# Altium PCB testboard_chip1.PcbDoc (part 2 of 3)
Units mm, origin at the board's own origin, x right, y up, seen from the top; angles counter-clockwise.
Board outline 111 x 126 mm, 2 copper layers (Top Layer, Bottom Layer); 162 components, 162 nets, 822 pads, 290 vias.
Unrouted connection lines stored in the file: 151.
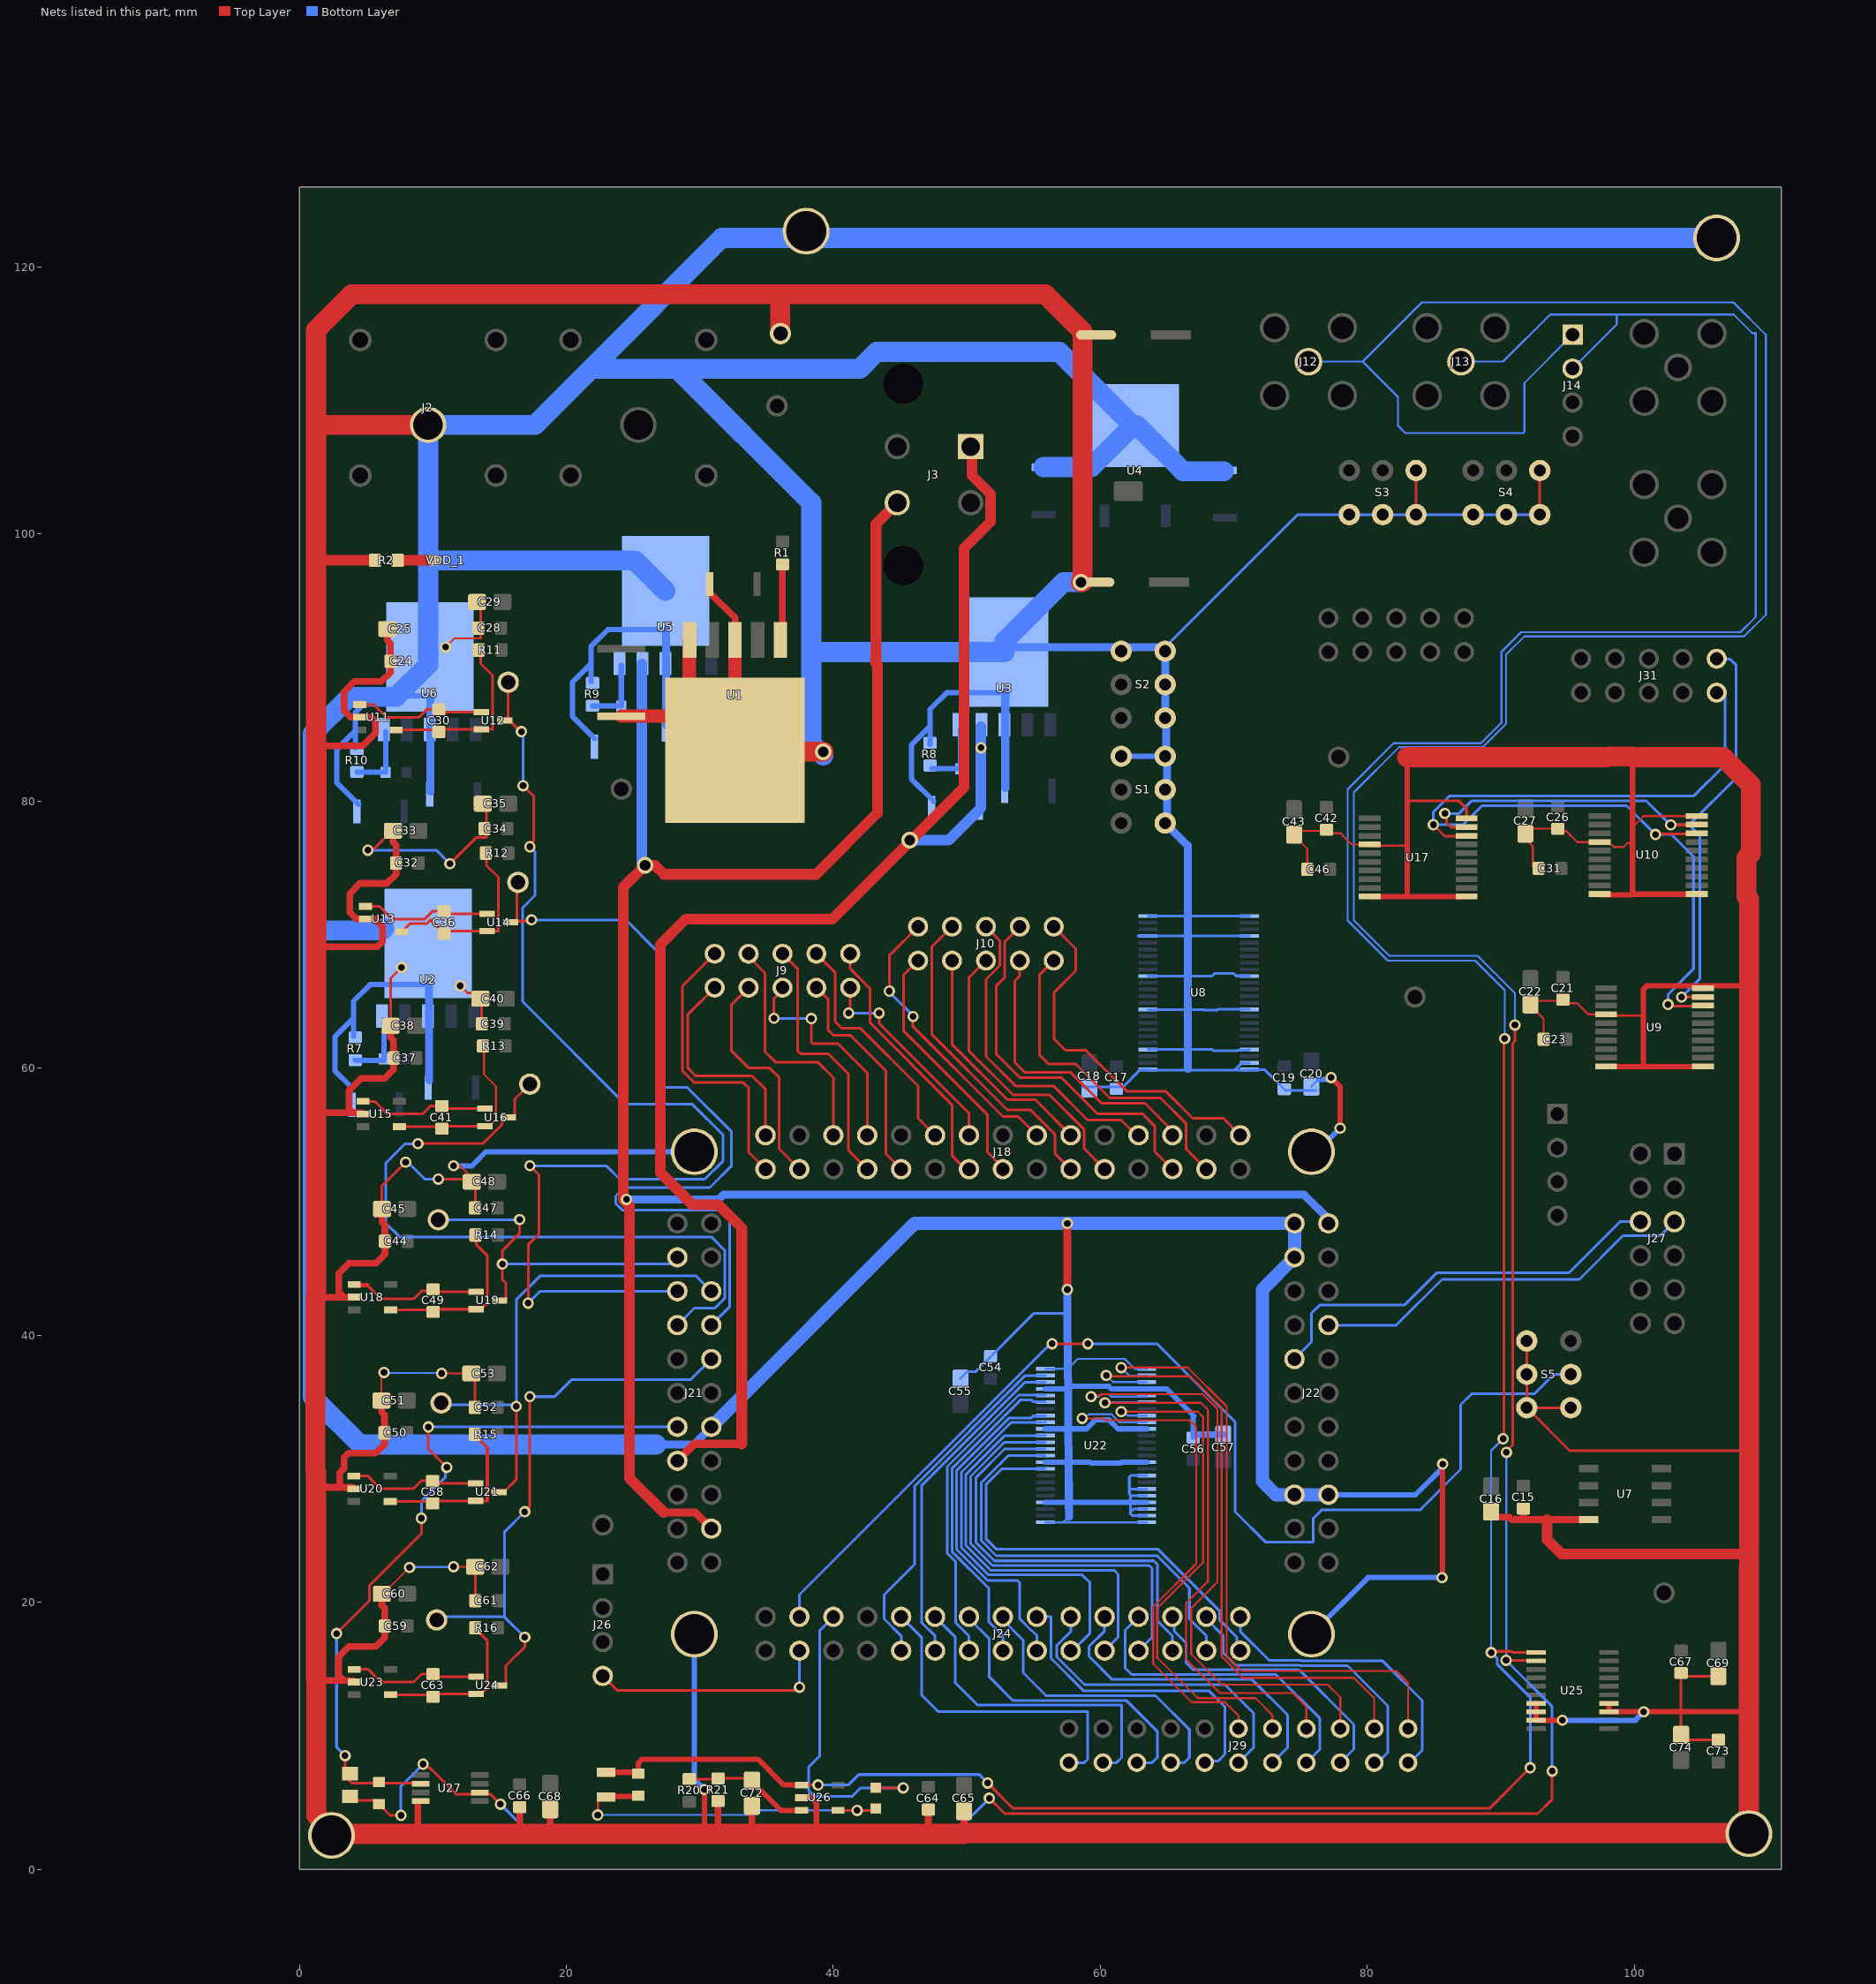
[diagram p2: the nets of this part, all layers, seen from the top]

## Via types
v1: diameter 0.85, hole 0.5, Top Layer to Bottom Layer, 274 vias
v2: diameter 1.25, hole 0.8, Top Layer to Bottom Layer, 16 vias

## Nets (pads, with @x,y where several pads share a name; then routed paths per layer and width w, separated by ;. In a path a pad name is that pad's centre, name@x,y a point inside that pad or via, vN(x,y) a via of type N, cw(c..) or ccw(c..) an arc to the next point about the centre after c; other vN are vias at no path point) (continued)
DVDD: C12.1 J3.4 J21.19 J22.1 R5.1 U5.4 | length 167
  Top Layer w0.6: 27.305,26.723 29.649,26.723 J21.19@30.861,25.511
  Top Layer w0.8: 27.305,26.723 24.724,29.304 24.724,49.698 24.257,50.165 24.257,73.533 v2(25.908,75.184) 26.654,75.184 27.327,74.511 38.713,74.511 43.307,79.105 43.307,90.237 43.202,90.342 43.202,100.756 J3.4@44.792,102.346
  Bottom Layer w0.2: J22.1@77.089,48.371 J22.1@77.089,48.706
  Bottom Layer w0.6: v1(24.511,50.165) 31.422,50.165 31.789,50.532 53.526,50.532 53.542,50.516 75.279,50.516 J22.1@77.089,48.706
  Bottom Layer w0.8: U5.4@25.664,90.258 R5.1@25.664,87.119 C12.1@25.664,84.071 25.664,75.428 v2(25.908,75.184)
GND: C1.- C2.- C3.2 C4.2 C5.2 C6.2 C7.2 C8.2 C9.2 C10.2 C11.2 C12.2 C13.2 C14.2 C15.2 C16.2 C17.2 C18.2 C19.2 C20.2 C21.2 C22.2 C23.2 C24.2 C25.2 C26.2 C27.2 C28.2 C29.2 C31.2 C32.2 C33.2 C34.2 C35.2 C37.2 C38.2 C39.2 C40.2 C42.2 C43.2 C44.2 C45.2 C46.2 C47.2 C48.2 C50.2 C51.2 C52.2 C53.2 C54.2 C55.2 C56.2 C57.2 C59.2 C60.2 C61.2 C62.2 C64.2 C65.2 C66.2 C67.2 C68.2 C69.2 C72.2 C73.2 C74.2 J2.1 J5.1 J21.13 J22.2 J22.4 J22.17 J22.18 pad.1 pad.2 pad.3 pad.4 R2.2 R7.2 R8.2 R9.2 R10.2 R21.2 S1.1 S1.2 S1.3 S1.4 S2.1 S2.2 S2.3 S2.4 S3.1 S3.2 S3.3 S3.4 S4.1 S4.2 S4.3 S4.4 S5.1 S5.2 S5.3 S5.4 U1.3 U1.5 U1.6 U2.3 U2.6 U3.3 U3.6 U4.2 U5.3 U5.6 U6.3 U6.6 U7.4 U8.1 U8.4 U8.10 U8.15 U8.21 U8.23 U8.24 U8.25 U8.28 U8.34 U8.39 U8.45 U8.48 U9.4 U9.10 U9.11 U9.20 U10.4 U10.10 U10.11 U10.20 U11.2 U13.2 U15.2 U17.4 U17.10 U17.11 U17.20 U18.2 U20.2 U22.1 U22.4 U22.10 U22.15 U22.17 U22.19 U22.20 U22.21 U22.22 U22.23 U22.24 U22.25 U22.28 U22.34 U22.39 U22.45 U22.48 U23.2 U25.7 U25.8 U25.9 U25.13 U25.14 U26.2 U27.4 | length 1662.4
  Top Layer w0.15: C51.2@6.156,35.102 6.156,37.017 v1(6.35,37.211) ; C60.2@6.183,20.624 6.273,20.624 v1(8.255,22.606) ; v1(10.668,37.134) C53.2@12.886,37.134 ; v1(10.968,91.536) 10.971,91.536 11.621,92.186 13.586,92.186 ; v1(11.557,22.656) 12.914,22.656 C62.2@13.168,22.656 ; v1(11.557,52.689) 12.038,52.689 13.081,51.646 C48.2@12.92,51.485 ; C46.2@75.503,74.889 75.503,76.434 74.517,77.42 C43.2@74.517,77.495 74.79,77.768 76.864,77.768 C42.2@76.949,77.853 77.211,77.591 78.007,77.591 78.845,76.753 U17.4@80.175,76.753 80.315,76.613 81.019,76.613 80.964,76.667 82.98,76.667 ; v1(85.598,21.844) v1@85.649,21.895 ; C31.2@92.394,75.062 92.394,76.607 ; C23.2@93.21,62.164 93.21,63.709 92.224,64.695 C22.2@92.224,64.77 92.497,65.043 94.571,65.043 C21.2@94.656,65.128 94.919,64.866 95.715,64.866 96.552,64.028 U9.4@97.882,64.028 98.023,63.888 98.726,63.888 98.672,63.942 100.687,63.942 ; 99.871,76.84 99.476,76.84 99.202,76.566 98.49,76.566 98.322,76.734 98.242,76.734 98.156,76.82 98.156,76.84 97.855,76.84 97.91,76.786 97.206,76.786 97.066,76.926 95.736,76.926 94.898,77.764 94.102,77.764 93.84,78.026 93.755,77.941 C27.2@91.681,77.941 ; 99.871,78.056 100.691,78.876 U10.20@104.33,78.876 ; C27.2@91.408,77.593 92.394,76.607 ; C27.2@91.408,77.593 91.639,77.362 92.394,76.607 ; C27.2@91.408,77.593 C27.2@91.408,77.668 ; C27.2@91.408,77.668 C27.2@91.681,77.941 ; C27.2@91.408,77.668 91.575,77.835 C27.2@91.681,77.941
  Top Layer w0.2: 1.254,107.477 1.955,108.178 ; v1(5.141,76.327) 5.496,76.327 6.943,77.774 C33.2@7.018,77.774 ; C51.2@5.682,34.629 C51.2@6.156,35.102 ; C60.2@5.709,20.151 C60.2@6.248,20.69 ; C45.2@5.715,48.853 C45.2@6.254,49.392 ; C25.2@6.116,92.414 C25.2@6.589,92.887 C25.2@6.655,92.953 ; C45.2@6.189,49.453 6.189,51.18 v1(7.968,52.959) ; C38.2@6.198,62.696 C38.2@6.737,63.235 ; C38.2@6.844,63.169 6.844,66.726 v1(7.666,67.548) ; U27.4@8.89,4.99 9.006,5.105 U27.4@9.09,5.105 ; v1(10.414,51.689) 12.716,51.689 C48.2@12.92,51.485 13.186,51.219 13.186,51.092 13.185,49.276 13.185,51.092 C48.2@12.919,51.358 ; v1(11.279,75.311) 11.291,75.311 13.246,77.266 14.015,77.266 14.015,79.54 C35.2@13.749,79.806 ; v1(12.065,66.167) 12.6,65.632 13.144,65.632 C40.2@13.575,65.201 C40.2@13.841,64.935 ; C53.2@12.886,37.134 13.152,36.868 C52.2@13.153,34.594 ; C53.2@12.887,37.134 13.153,36.868 C52.2@13.153,34.594 ; C62.2@12.914,22.656 13.18,22.39 C61.2@13.18,20.116 ; C29.2@13.32,94.919 13.586,94.653 13.586,92.186 ; C40.2@13.488,65.114 13.668,64.935 C39.2@13.668,62.992 ; U1.6@29.21,86.639 U1.6@29.804,86.639 ; 82.98,80.01 86.868,80.01 87.439,79.439 U17.20@87.439,78.703 ; S3.1@83.653,101.458 S3.4@83.653,104.758 ; S5.3@91.949,39.568 S5.2@91.949,37.068 S5.1@91.949,34.568 ; S4.1@92.924,101.458 S4.4@92.924,104.758 ; S5.4@95.249,34.568 S5.1@91.949,34.568 ; C73.2@106.204,9.793 C73.2@106.299,9.698 103.882,9.698 C74.2@103.505,10.076 103.505,11.795 C67.2@103.505,14.692 103.732,14.464 C69.2@106.299,14.464 ; 108.591,31.353 95.164,31.353 S5.1@91.949,34.568
  Top Layer w0.3: U20.2@3.988,28.602 U20.2@4.092,28.498 ; U23.2@4.015,14.124 U23.2@4.119,14.02 ; U15.2@4.677,56.669 U15.2@4.781,56.565
  Top Layer w0.4: 30.353,2.651 v1(30.353,5.969) ; U26.2@37.627,5.36 38.363,5.36 38.735,4.988 38.735,2.651 ; v1(77.289,59.293) 77.965,58.617 v1(77.965,55.499) ; U17.10@80.175,72.853 82.98,72.853 ; 82.98,83.296 82.98,80.01 82.98,76.667 82.98,72.853 ; v1@85.649,21.895 v1(85.649,30.353) ; U17.11@87.439,72.853 82.98,72.853 ; U25.7@92.656,12.43 U25.8@92.656,11.795 U25.9@92.656,11.16 v1(94.615,11.16) ; U10.10@97.066,73.026 97.409,73.026 97.468,72.967 99.812,72.967 99.871,73.026 ; U9.10@97.882,60.128 100.687,60.128 ; U25.14@98.098,12.43 U25.13@98.098,11.795 v1(100.711,11.795) 103.505,11.795 108.267,11.795 ; 99.871,83.296 99.871,78.056 99.871,76.84 99.871,73.026 ; U10.11@104.33,73.026 99.871,73.026 ; U9.11@105.146,60.128 100.687,60.128 ; 108.591,66.154 100.922,66.154 100.687,65.92 100.687,63.942 100.687,60.128
  Top Layer w0.5: 1.254,28.602 3.319,28.602 ; 1.254,42.826 3.351,42.826 ; 1.254,56.5 1.423,56.669 4.007,56.669 ; 1.254,69.088 5.842,69.088 6.223,69.469 6.223,70.596 5.653,71.166 4.959,71.166 U13.2@4.955,71.17 4.285,71.17 3.777,71.678 3.777,73.056 4.558,73.837 6.571,73.837 7.245,74.511 C32.2@7.245,75.361 7.245,76.697 7.018,76.924 C33.2@7.018,77.393 ; 1.254,84.126 1.3,84.126 4.751,84.126 5.715,85.09 5.715,85.99 5.422,86.283 U11.2@4.526,86.283 3.856,86.283 3.348,86.791 3.348,88.169 4.129,88.95 6.142,88.95 6.816,89.624 C24.2@6.816,90.474 6.816,91.81 6.589,92.037 C25.2@6.589,92.506 ; 1.281,14.124 3.346,14.124 ; 1.3,70.977 1.597,71.274 ; U20.2@3.988,28.602 3.319,28.602 ; U23.2@4.015,14.124 3.346,14.124 ; U18.2@4.02,42.826 3.351,42.826 ; U15.2@4.677,56.669 4.007,56.669 ; C51.2@6.156,34.721 6.156,34.252 6.383,34.025 C50.2@6.383,32.689 6.383,31.839 5.709,31.165 3.696,31.165 3.365,30.834 3.365,30.026 3.206,29.868 3.026,29.687 3.026,28.895 3.319,28.602 ; C60.2@6.183,20.243 6.183,19.774 6.41,19.547 C59.2@6.41,18.211 6.41,17.361 5.736,16.687 3.723,16.687 2.942,15.906 2.942,14.528 3.346,14.124 ; C45.2@6.188,48.945 6.188,48.476 6.415,48.249 6.415,46.063 5.741,45.389 3.728,45.389 2.947,44.608 2.947,43.23 3.351,42.826 ; C38.2@6.844,62.788 6.844,62.319 7.071,62.092 C37.2@7.071,60.756 7.071,59.906 6.397,59.232 4.657,59.232 3.728,58.303 3.728,56.948 4.007,56.669 ; 8.89,2.651 U27.4@8.89,4.99 ; 16.51,2.651 C66.2@16.51,4.655 ; 18.796,2.651 C68.2@18.796,4.495 ; C3.2@30.737,96.25 30.737,95.625 32.639,93.723 U1.3@32.639,91.805 ; 31.369,3.046 R21.2@31.369,5.05 ; 33.909,2.792 C72.2@33.909,4.749 ; 47.117,2.651 C64.2@47.117,4.468 ; 49.784,2.778 C65.2@49.784,4.349 ; C16.2@89.281,26.548 89.471,26.358 90.631,26.358 90.799,26.19 91.694,26.19 ; C15.2@91.694,27.011 91.694,26.19 ; U7.4@96.593,26.19 93.472,26.19 91.694,26.19
  Top Layer w0.6: v1(57.531,43.418) v1(57.531,48.371)
  Top Layer w0.8: 1.279,98.028 R2.2@5.673,98.028 ; 93.472,26.19 93.472,24.685 94.535,23.623 108.591,23.623
  Top Layer w1: C6.2@24.13,86.359 U1.6@29.21,86.359 ; U1.6@29.21,86.639 U1.5@29.21,92.099 ; U1.6@32.639,83.804 U1.3@32.639,92.084
  Top Layer w1.5: 1.279,98.028 1.254,98.003 ; 1.3,70.977 1.3,84.126 ; 1.955,108.178 J2.1@9.652,108.178 ; U1.6@32.639,83.804 32.868,83.575 32.995,83.702 v2(39.243,83.702) ; J5.1@36.043,115.017 36.023,115.036 36.023,117.885 35.941,117.967 ; 49.784,2.651 47.117,2.651 38.735,2.651 30.353,2.651 18.796,2.651 16.51,2.651 8.89,2.651 2.667,2.651 1.281,4.037 1.281,14.124 1.254,14.151 1.254,28.602 1.254,29.75 1.2,29.804 1.2,42.772 1.254,42.826 1.254,56.5 1.254,69.088 1.254,84.126 1.254,98.003 ; 49.784,2.778 49.847,2.714 108.505,2.714 108.585,2.794 108.585,22.521 108.591,22.526 108.591,23.623 108.591,31.353 108.591,66.154 108.591,72.669 108.403,72.857 108.403,75.733 108.728,76.058 108.728,81.219 106.651,83.296 99.871,83.296 99.816,83.351 98.003,83.351 97.948,83.296 82.98,83.296 ; v2(58.547,96.393) 58.674,96.393 58.674,115.173 55.88,117.967 35.941,117.967 ; 1.254,98.003 1.254,107.477 1.254,115.284 3.937,117.967 35.941,117.967
  Bottom Layer w0.15: 3.813,58.655 3.816,58.658 ; v1(6.35,37.211) 6.389,37.172 10.629,37.172 v1(10.668,37.134) ; v1(8.255,22.606) 8.28,22.631 11.532,22.631 v1(11.557,22.656) ; C7.2@9.707,59.114 C7.2@9.909,58.912 ; 12.938,52.689 13.081,52.832 ; U22.25@55.889,25.984 56.896,25.984 ; U22.48@55.889,37.484 57.575,37.484 58.317,38.226 61.834,38.226 62.576,37.484 U22.1@63.491,37.484 ; 57.658,26.4 57.242,25.984 56.896,25.984 ; U22.24@63.491,25.984 56.896,25.984 ; pad.2@75.819,53.737 pad.2@76.203,53.737 ; C20.2@75.819,58.606 75.819,58.641 C20.2@76.338,59.16 ; v1@77.156,59.16 v1(77.289,59.293) ; v1(85.649,30.353) 85.724,30.278 v1@85.724,30.154
  Bottom Layer w0.2: v1(5.141,76.327) 10.263,76.327 v1(11.279,75.311) ; v1@8.128,52.959 9.398,51.689 v1(10.414,51.689) ; C55.2@49.53,36.748 49.53,36.773 50.026,37.269 50.673,37.269 55.044,41.64 57.544,41.64 ; C18.2@58.643,58.597 61.716,58.597 ; C17.2@61.214,58.597 61.716,58.597 ; 62.839,69.893 66.548,69.893 U8.4@71.176,69.893 ; U22.23@63.491,26.484 62.389,26.484 62.272,26.601 62.272,26.767 ; U22.22@63.491,26.984 62.489,26.984 62.272,26.767 ; U22.20@63.491,27.984 62.296,27.984 62.272,28.008 ; U22.19@63.491,28.484 62.296,28.484 62.178,28.601 ; U22.17@63.491,29.484 62.296,29.484 62.178,29.367 62.178,28.601 ; U8.28@63.574,61.393 66.548,61.393 68.373,61.393 68.45,61.316 70.275,61.316 70.312,61.353 71.136,61.353 U8.21@71.176,61.393 ; U8.34@63.574,64.393 66.548,64.393 67.732,64.393 67.792,64.333 68.728,64.333 68.808,64.413 71.156,64.413 U8.15@71.176,64.393 ; U8.39@63.574,66.893 66.548,66.893 68.372,66.893 68.559,67.08 70.003,67.08 70.174,66.909 71.16,66.909 U8.10@71.176,66.893 ; U8.48@63.574,71.393 66.548,71.393 U8.1@71.176,71.393 ; S2.1@64.865,91.232 64.865,91.525 74.798,101.458 S3.3@78.653,101.458 S3.2@81.153,101.458 S3.1@83.653,101.458 S4.3@87.924,101.458 S4.2@90.424,101.458 S4.1@92.924,101.458 ; U8.23@71.176,60.393 70.613,60.393 70.083,59.862 ; C20.2@76.177,58.324 73.867,58.324 72.298,59.893 U8.24@71.176,59.893 71.145,59.862 70.083,59.862 ; 61.716,58.597 63.012,59.893 U8.25@63.574,59.893 63.605,59.862 70.083,59.862 ; 62.178,28.601 62.178,28.101 62.272,28.008 ; 62.272,26.767 62.272,27.484 62.272,28.008
  Bottom Layer w0.4: C8.2@3.813,57.261 3.813,58.655 ; 3.816,58.658 2.673,59.801 2.673,62.347 4.064,63.738 ; R7.2@4.064,62.39 4.064,63.738 ; R10.2@4.191,83.993 4.191,85.264 ; C14.2@4.46,79.743 2.8,81.404 2.8,83.873 4.191,85.264 ; U2.6@9.707,66.278 5.334,66.278 4.064,65.008 4.064,63.738 ; U6.6@9.834,87.881 7.322,87.881 5.461,87.881 5.391,87.811 4.191,86.611 4.191,85.264 ; v1(11.557,52.689) 12.938,52.689 ; 13.081,52.832 13.986,53.737 pad.1@29.591,53.737 ; R9.2@21.844,88.946 21.844,90.294 ; C12.2@22.113,84.696 20.453,86.357 20.453,88.902 21.844,90.294 ; U5.6@27.487,92.834 23.114,92.834 21.844,91.564 21.844,90.294 ; pad.3@29.591,17.605 29.591,6.731 v1(30.353,5.969) ; R8.2@47.244,84.247 47.244,85.595 ; C10.2@47.513,79.997 45.853,81.658 45.853,84.203 47.244,85.595 ; U3.6@52.887,88.135 48.514,88.135 47.244,86.865 47.244,85.595 ; U22.28@55.889,27.484 57.65,27.484 62.272,27.484 U22.21@63.491,27.484 ; U22.34@55.889,30.484 57.628,30.484 59.252,30.484 59.327,30.409 61.532,30.409 61.607,30.484 U22.15@63.491,30.484 ; U22.39@55.889,32.984 57.609,32.984 58.957,32.984 59.625,33.652 60.667,33.652 61.335,32.984 U22.10@63.491,32.984 ; U22.45@55.889,35.984 57.586,35.984 ; 57.585,36.173 60.637,36.173 60.837,35.974 63.481,35.974 U22.4@63.491,35.984 64.969,35.984 67.021,33.932 66.96,33.87 C56.2@66.96,32.33 ; S1.4@61.692,83.358 S1.1@64.992,83.358 ; pad.4@75.819,17.605 80.058,21.844 v1(85.598,21.844) ; pad.2@76.203,53.737 v1(77.965,55.499) ; C20.2@76.338,59.16 v1@77.156,59.16 ; J22.17@77.089,28.051 83.621,28.051 v1@85.724,30.154 ; v1(94.615,11.16) 100.076,11.16 v1(100.711,11.795)
  Bottom Layer w0.5: C56.2@67.187,32.557 C57.2@69.215,32.557
  Bottom Layer w0.6: C7.2@9.707,59.114 U2.6@9.707,66.278 ; C13.2@9.834,80.716 U6.6@9.834,87.881 ; 26.742,31.806 29.536,31.806 J21.13@30.861,33.131 ; C11.2@27.487,85.669 U5.6@27.487,92.834 ; U3.6@52.832,91.526 64.246,91.526 64.311,91.461 64.802,91.461 64.865,91.525 64.866,91.526 64.866,86.526 64.929,86.463 64.929,83.421 64.992,83.358 S1.3@64.992,78.358 ; C9.2@52.887,80.97 U3.6@52.887,88.135 ; v1(57.531,43.418) 57.544,41.64 57.575,37.576 57.575,37.484 57.586,35.984 ; 57.585,36.173 57.587,35.925 57.609,32.984 ; 57.609,32.984 57.628,30.484 57.628,30.464 57.649,27.543 57.65,27.484 57.658,26.4 ; S1.3@64.865,78.358 66.548,76.675 66.548,71.393 66.548,69.893 66.548,66.893 66.548,64.393 66.548,61.393 66.548,59.951
  Bottom Layer w1: J21.13@30.861,33.131 46.101,48.371 v1(57.531,48.371) J22.2@74.549,48.371 J22.4@74.549,45.831 72.136,43.418 72.136,29.067 73.152,28.051 J22.18@74.549,28.051 J22.17@77.089,28.051
  Bottom Layer w1.5: 6.35,70.469 6.194,70.313 1,70.313 ; 26.742,31.806 4.555,31.806 1,35.361 1,70.313 ; U5.6@27.432,95.742 25.146,98.028 9.652,98.028 ; 39.129,91.157 U3.6@52.832,91.157 52.832,91.526 52.832,91.983 57.242,96.393 v2(58.547,96.393) ; v2@39.243,83.423 38.354,84.312 38.354,102.346 28.321,112.379 ; C5.2@55.753,105.01 59.332,105.01 U4.2@62.446,108.124 ; C4.2@69.261,104.71 66.19,104.71 62.776,108.124 U4.2@62.446,108.124 ; pad.3@106.172,122.174 31.649,122.174 21.854,112.379 ; 1,70.313 1,85.043 3.768,87.811 5.391,87.811 7.252,87.811 7.322,87.881 9.652,90.21 9.652,98.028 ; 9.652,98.028 J2.1@9.652,108.178 17.653,108.178 21.854,112.379 ; 21.854,112.379 28.321,112.379 ; 28.321,112.379 41.989,112.379 43.256,113.646 56.924,113.646 U4.2@62.446,108.124
HEM_OUT: C70.1 J21.14 R18.2 U27.2 | length 62.2
  Top Layer w0.2: v1(2.794,17.653) 5.258,20.117 5.258,21.24 9.144,25.126 v1(9.144,26.289) ; U27.2@9.09,6.405 U27.2@9.053,6.442 ; v1(9.668,33.131) 9.668,31.48 v1(11.049,30.099) ; R18.2@3.429,6.949 3.809,6.568 ; R18.2@3.429,6.949 v1(3.429,8.509) R18.2@3.429,6.949 ; R18.2@3.429,6.949 3.809,6.568 ; 3.809,6.568 3.83,6.568 ; 3.809,6.568 3.83,6.568 ; 3.83,6.568 3.956,6.442 ; 3.956,6.442 5.969,6.442 U27.2@9.053,6.442 ; 3.956,6.442 U27.2@9.053,6.442
  Bottom Layer w0.2: v1(2.794,17.653) 2.794,9.144 v1(3.429,8.509) ; v1(9.144,26.289) 9.144,27.559 10.959,29.374 10.959,30.009 v1(11.049,30.099) ; v1(9.668,33.131) J21.14@28.321,33.131
HEM_OUT_I2V: C70.2 J12.1 J14.1 R18.1 U25.2 U27.6 | length 307.5
  Top Layer w0.2: R18.1@3.809,5.46 4.12,5.149 5.694,5.149 C70.2@5.969,4.874 6.806,4.037 v1(7.62,4.037) ; v1(9.271,7.874) 9.447,7.874 9.8,7.52 9.857,7.52 11.738,5.64 14.302,5.64 v1(15.068,4.874) ; v1(51.689,5.318) 52.832,4.175 92.776,4.175 93.853,5.252 v1(93.853,7.35) ; v1(90.4,15.645) 92.616,15.645 U25.2@92.656,15.605 ; v1(90.424,31.226) 90.424,31.301 90.899,31.776 90.899,61.861 91.059,62.021 v1(91.059,63.23)
  Bottom Layer w0.15: J12.1@75.594,112.912 79.654,112.912 ; v1(90.4,15.645) 90.424,15.668 v1(90.424,31.226) ; v1(91.059,63.23) 91.059,65.614 88.265,68.408 81.661,68.408 78.994,71.075 78.994,80.643 82.38,84.029 88.643,84.029 90.4,85.786 90.4,90.974 91.763,92.336 108.227,92.336 109.855,93.964 109.855,114.919 107.426,117.348 84.09,117.348 79.654,112.912 ; J14.1@95.377,114.935 91.763,111.321 91.763,107.657 91.675,107.569 82.851,107.569 82.296,108.124 82.296,110.271 79.654,112.912
  Bottom Layer w0.2: v1(7.62,4.037) 7.62,6.223 v1(9.271,7.874) ; v1(15.068,4.874) 16.91,3.032 49.403,3.032 v1(51.689,5.318) ; v1(90.4,15.645) 93.853,12.193 v1(93.853,7.35)
IBLEED: J17.1 J21.6 U12.3 | length 84.8
  Top Layer w0.2: U12.3@15.401,86.029 U12.3@15.516,86.029 ; J17.1@15.649,88.9 15.649,86.162 U12.3@15.516,86.029 ; v1(16.637,85.201) 16.574,85.201 15.746,86.029 U12.3@15.516,86.029 ; v1(16.764,81.153) 17.566,80.351 17.566,77.051 17.272,76.757 v1(17.272,76.581) ; v1(17.145,42.402) 17.145,46.77 17.947,47.572 17.947,52.014 v1(17.272,52.689)
  Bottom Layer w0.2: v1(16.637,85.201) 16.764,85.074 v1(16.764,81.153) ; v1(17.145,42.402) 18.034,43.291 J21.6@28.321,43.291 ; v1(17.272,52.689) 23.003,52.689 24.003,51.689 30.377,51.689 31.75,53.062 31.75,54.991 29.449,57.292 24.414,57.292 16.724,64.982 16.724,72.008 17.653,72.937 17.653,76.2 v1(17.272,76.581)
ISLEW: J21.4 J28.1 U19.3 | length 26.5
  Top Layer w0.2: U19.3@15,42.595 15.346,42.595 15.479,42.728 15.479,43.911 15.22,44.169 v1(15.22,45.323) 15.22,46.347 16.51,47.636 v1(16.51,48.66)
  Bottom Layer w0.2: J28.1@10.414,48.641 16.491,48.641 v1(16.51,48.66) ; v1(15.22,45.323) 27.813,45.323 J21.4@28.321,45.831
ISPK: J21.5 J30.1 U21.3 | length 36.7
  Top Layer w0.2: U21.3@14.967,28.244 15.313,28.244 16.256,29.187 v1(16.256,34.671)
  Bottom Layer w0.2: J30.1@10.624,34.925 10.753,34.795 16.132,34.795 v1(16.256,34.671) 16.256,42.656 18.034,44.434 29.718,44.434 J21.5@30.861,43.291
ISPKFAST: J21.9 J32.1 U24.3 | length 44
  Top Layer w0.2: U24.3@14.994,13.766 15.339,13.766 15.473,13.899 15.473,15.24 16.891,16.658 v1(16.891,17.383) ; v1(16.891,26.781) 17.272,27.162 v1(17.272,35.398)
  Bottom Layer w0.2: J32.1@10.287,18.669 10.525,18.907 15.367,18.907 ; v1(16.891,17.383) 15.367,18.907 ; v1(16.891,26.781) 15.367,25.257 15.367,18.907 ; v1(17.272,35.398) 19.127,35.398 20.412,36.683 29.333,36.683 J21.9@30.861,38.211
ITAIL: J21.8 J23.1 U16.3 | length 52.9
  Top Layer w0.2: v1(8.89,54.34) 8.905,54.355 13.762,54.355 15.177,55.77 15.177,56.178 15.304,56.305 15.655,56.305 U16.3@15.655,56.311 16.001,56.311 16.134,56.444 16.134,57.663 J23.1@17.272,58.801
  Bottom Layer w0.2: v1(8.89,54.34) 7.935,54.34 6.467,52.872 6.467,48.411 7.519,47.359 30.857,47.359 31.873,46.343 31.873,42.765 31.129,42.021 29.591,42.021 J21.8@28.321,40.751
ITH: J19.1 J21.7 U14.3 | length 62.4
  Top Layer w0.2: U14.3@15.829,70.916 16.175,70.916 U14.3@16.269,71.01 ; J19.1@16.383,73.914 16.308,73.839 16.308,71.049 U14.3@16.269,71.01 ; v1(17.399,71.104) 17.305,71.01 U14.3@16.269,71.01
  Bottom Layer w0.2: v1(17.399,71.104) 24.461,71.104 26.737,68.828 26.737,58.547 29.067,58.547 32.385,55.229 32.385,52.688 30.751,51.054 24.334,51.054 23.709,50.429 23.709,49.856 24.182,49.383 31.5,49.383 32.223,48.66 32.223,42.113 J21.7@30.861,40.751
LCVDD: C10.1 J3.1 J21.16 R4.1 U3.4 | length 119.8
  Top Layer w0.6: J21.16@28.321,30.591 29.591,31.861 33.147,31.861
  Top Layer w0.8: 33.147,31.861 33.147,48.024 31.403,49.768 29.464,49.768 27.051,52.181 27.051,69.265 28.956,71.17 39.944,71.17 45.783,77.009 49.784,81.01 49.784,98.917 51.792,100.925 51.792,102.986 50.382,104.396 50.382,106.456 J3.1@50.292,106.546
  Bottom Layer w0.8: v2(45.72,77.073) 48.651,77.073 ; U3.4@51.064,85.559 v1(51.064,83.99) R4.1@51.064,82.42 ; 48.651,77.073 C10.1@51.064,79.486 ; 48.651,77.073 C10.1@51.064,79.486 ; C10.1@51.064,79.486 R4.1@51.064,82.42 ; C10.1@51.064,79.486 R4.1@51.064,82.42
LDACb: J31.1 U9.18 U10.18 U17.18 | length 71.8
  Top Layer w0.2: v1(84.947,78.232) 85.809,77.37 87.406,77.37 U17.18@87.439,77.403 ; v1(101.587,77.495) 101.635,77.543 104.623,77.543 U10.18@104.673,77.593 ; v1(102.53,64.77) 102.706,64.77 102.831,64.645 105.113,64.645 U9.18@105.146,64.678
  Bottom Layer w0.2: v1(102.53,64.77) 102.53,65.528 104.434,67.432 104.434,75.858 102.796,77.495 v1(101.587,77.495) 99.422,79.66 88.595,79.66 87.167,78.232 v1(84.947,78.232) 84.947,79.169 86.169,80.391 104.464,80.391 106.807,82.734 J31.1@106.807,88.093
N_COX_OFF_EXT<0>: J9.1 J18.2 | length 21.9
  Top Layer w0.2: J9.1@31.115,68.564 28.702,66.151 28.702,59.801 29.591,58.912 33.274,58.912 33.655,58.531 33.655,53.705 J18.2@34.925,52.435
N_COX_OFF_EXT<1>: J9.2 J18.5 | length 18.1
  Top Layer w0.2: J9.2@33.655,68.564 33.655,68.348 34.885,67.118 34.885,61.238 35.687,60.436 38.862,60.436 40.005,59.293 J18.5@40.005,54.975
N_COX_OFF_EXT<2>: J9.3 J18.8 | length 20
  Top Layer w0.2: J9.3@36.195,68.564 37.338,67.421 37.338,61.285 37.552,61.071 39.624,61.071 41.148,59.547 41.148,53.832 J18.8@42.545,52.435
N_COX_OFF_EXT<3>: J9.4 J18.11 | length 18.1
  Top Layer w0.2: J9.4@38.735,68.564 40.132,67.167 40.132,63.484 40.64,62.976 42.037,62.976 46.355,58.658 46.355,56.245 J18.11@47.625,54.975
N_COX_OFF_EXT<4>: J9.5 J18.14 | length 20
  Top Layer w0.2: J9.5@41.275,68.564 41.275,67.437 42.759,65.953 42.759,63.397 48.895,57.261 48.895,53.451 49.911,52.435 J18.14@50.165,52.435
N_COX_OFF_EXT<5>: J10.1 J18.17 | length 21.8
  Top Layer w0.2: v1(44.196,65.77) 44.196,68.437 J10.1@46.355,70.596 ; v1(45.974,63.865) 45.974,63.103 52.705,56.372 53.848,56.372 J18.17@55.245,54.975
  Bottom Layer w0.2: v1(44.196,65.77) 44.196,65.706 45.974,63.928 v1(45.974,63.865)
N_COX_OFF_EXT<6>: J10.2 J18.20 | length 24.1
  Top Layer w0.2: J10.2@48.895,70.596 47.371,69.072 47.371,62.545 53.036,56.88 54.771,56.88 56.598,55.053 56.598,53.622 J18.20@57.785,52.435
N_COX_OFF_EXT<7>: J10.3 J18.23 | length 24.4
  Top Layer w0.2: J10.3@51.435,70.596 52.472,69.559 52.472,67.68 51.451,66.659 51.451,60.872 53.678,58.645 56.528,58.645 59.055,56.118 61.565,56.118 62.708,54.975 J18.23@62.865,54.975
N_COX_OFF_EXT<8>: J10.4 J18.26 | length 28.2
  Top Layer w0.2: J10.4@53.975,70.596 52.832,69.453 52.832,66.786 52.197,66.151 52.197,61.071 53.975,59.293 57.089,59.293 59.817,56.565 63.18,56.565 64.072,55.673 64.072,53.768 J18.26@65.405,52.435
N_COX_OFF_EXT<9>: J10.5 J18.29 | length 26.7
  Top Layer w0.2: J10.5@56.515,70.596 58.166,68.945 58.166,67.294 56.533,65.661 56.533,62.196 57.404,61.325 58.928,61.325 61.976,58.277 64.897,58.277 66.929,56.245 69.215,56.245 J18.29@70.485,54.975
N_COX_ON_EXT<0>: J9.6 J18.1 | length 16.8
  Top Layer w0.2: J9.6@31.115,66.024 29.083,63.992 29.083,60.029 29.692,59.42 33.909,59.42 34.925,58.404 J18.1@34.925,54.975
N_COX_ON_EXT<1>: J9.7 J18.4 | length 17.1
  Top Layer w0.2: J9.7@33.655,66.024 32.385,64.754 32.385,61.285 33.641,60.029 35.205,60.029 35.937,59.297 35.937,53.963 J18.4@37.465,52.435
N_COX_ON_EXT<2>: J9.8 J18.7 | length 16.9
  Top Layer w0.2: v1(35.56,63.738) 35.56,65.201 36.195,65.836 J9.8@36.195,66.024 ; v1(38.354,63.709) 38.354,61.95 38.471,61.833 40.362,61.833 42.545,59.65 J18.7@42.545,54.975
  Bottom Layer w0.2: v1(35.56,63.738) 35.574,63.724 38.34,63.724 v1(38.354,63.709)
N_COX_ON_EXT<3>: J9.9 J18.10 | length 17
  Top Layer w0.2: J9.9@38.735,66.024 39.624,65.135 39.624,62.849 40.005,62.468 41.275,62.468 43.942,59.801 43.942,53.578 J18.10@45.085,52.435
N_COX_ON_EXT<4>: J9.10 J18.13 | length 16.2
  Top Layer w0.2: v1(41.148,64.119) 41.275,64.246 J9.10@41.275,66.024 ; v1(43.434,64.119) 43.434,63.357 50.165,56.626 J18.13@50.165,54.975
  Bottom Layer w0.2: v1(41.148,64.119) v1(43.434,64.119)
N_COX_ON_EXT<5>: J10.6 J18.16 | length 19.2
  Top Layer w0.2: J10.6@46.355,68.056 45.252,66.953 45.252,62.809 51.562,56.499 51.562,53.705 52.705,52.562 J18.16@52.705,52.435
N_COX_ON_EXT<6>: J10.7 J18.19 | length 18
  Top Layer w0.2: J10.7@48.895,68.056 48.895,61.783 53.036,57.642 55.118,57.642 J18.19@57.785,54.975
N_COX_ON_EXT<7>: J10.8 J18.22 | length 22
  Top Layer w0.2: J10.8@51.435,68.056 50.165,66.786 50.165,61.325 50.15,61.31 53.467,57.992 56.199,57.992 58.797,55.394 58.797,53.963 J18.22@60.325,52.435
N_COX_ON_EXT<8>: J10.9 J18.25 | length 22
  Top Layer w0.2: J10.9@53.975,68.056 53.975,66.913 53.594,66.532 53.594,60.436 54.356,59.674 57.785,59.674 60.094,57.365 63.35,57.365 65.405,55.31 J18.25@65.405,54.975
N_COX_ON_EXT<9>: J10.10 J18.28 | length 24.7
  Top Layer w0.2: J10.10@56.515,68.056 55.435,66.976 55.435,61.007 56.134,60.309 58.166,60.309 60.706,57.769 64.516,57.769 66.417,55.868 66.417,53.963 J18.28@67.945,52.435
N_P_EXT<0>: J24.9 J29.2 | length 24.5
  Bottom Layer w0.2: J24.9@45.085,18.907 45.089,18.907 46.613,17.383 46.613,13.061 47.879,11.795 59.055,11.795 59.055,8.239 58.801,7.985 J29.2@57.658,7.985
N_P_EXT<1>: J24.11 J29.4 | length 24.2
  Bottom Layer w0.2: J24.11@47.625,18.907 49.149,17.383 49.149,13.954 50.805,12.299 61.595,12.299 61.595,8.366 61.214,7.985 J29.4@60.198,7.985
N_P_EXT<2>: J24.13 J29.6 | length 23.1
  Bottom Layer w0.2: J24.13@50.165,18.907 50.165,18.78 51.689,17.256 51.689,14.398 53.439,12.648 61.956,12.648 64.262,10.342 64.262,8.366 63.881,7.985 J29.6@62.738,7.985
N_P_EXT<3>: J24.15 J29.8 | length 22.7
  Bottom Layer w0.2: J24.15@52.705,18.907 52.705,18.68 54.229,17.156 54.229,14.716 55.946,12.999 64.146,12.999 66.675,10.469 66.675,8.366 66.294,7.985 J29.8@65.278,7.985
N_P_EXT<4>: J24.17 J29.10 | length 24
  Bottom Layer w0.2: J24.17@55.245,18.907 56.307,18.907 56.307,15.813 58.771,13.349 68.169,13.349 69.342,12.176 69.342,8.62 68.817,8.095 67.928,8.095 J29.10@67.818,7.985
N_P_EXT<5>: J24.19 J29.12 | length 24.1
  Bottom Layer w0.2: J24.19@57.785,18.907 57.785,17.798 56.74,16.753 56.74,15.903 58.816,13.827 69.342,13.827 71.501,11.668 71.501,9.128 J29.12@70.358,7.985
N_P_EXT<6>: J24.21 J29.14 | length 24.2
  Bottom Layer w0.2: J24.21@60.325,18.907 60.319,18.901 60.319,17.845 59.138,16.664 59.138,15.967 60.896,14.208 71.374,14.208 74.041,11.541 74.041,9.128 J29.14@72.898,7.985
N_P_EXT<7>: J24.23 J29.16 | length 24.1
  Bottom Layer w0.2: J24.23@62.865,18.907 61.853,17.895 61.853,15.083 62.347,14.589 73.152,14.589 76.454,11.287 76.454,9.001 J29.16@75.438,7.985
N_P_EXT<8>: J24.25 J29.18 | length 21.6
  Bottom Layer w0.2: J24.25@65.405,18.907 65.531,18.781 65.531,17.845 66.417,16.959 66.417,15.482 66.96,14.939 74.788,14.939 74.826,14.901 74.943,14.901 78.994,10.85 78.994,9.001 J29.18@77.978,7.985
N_P_EXT<9>: J24.27 J29.20 | length 22
  Bottom Layer w0.2: J24.27@67.945,18.907 67.945,18.746 69.215,17.476 69.215,16.206 70.132,15.289 74.933,15.289 74.971,15.251 78.523,15.251 81.534,12.239 81.534,8.747 80.772,7.985 J29.20@80.518,7.985
N_P_EXT<10>: J24.29 J29.22 | length 22
  Bottom Layer w0.2: J24.29@70.485,18.907 70.485,17.816 72.662,15.639 75.078,15.639 75.116,15.601 81.157,15.601 84.118,12.64 84.118,8.918 83.185,7.985 J29.22@83.058,7.985
NetC30_1: C30.1 R11.2 U11.4 U12.2 | length 13.7
  Top Layer w0.2: U11.4@7.251,85.333 10.306,85.333 C30.1@10.46,85.179 10.66,85.379 U12.2@13.648,85.379 14.477,85.379 14.477,89.407 13.586,90.297 13.586,91.176 R11.2@13.449,91.313
NetC30_2: C30.2 U11.1 U12.1 | length 9.8
  Top Layer w0.2: U11.1@4.526,87.233 5.573,87.233 6.523,86.283 8.975,86.283 9.571,86.879 C30.2@10.46,86.879 10.66,86.679 U12.1@13.648,86.679
NetC36_1: C36.1 R12.2 U13.4 U14.2 | length 15.8
  Top Layer w0.2: U13.4@7.68,70.22 8.28,70.82 9.549,70.82 9.842,71.113 ; R12.2@13.97,76.103 14.015,76.058 14.015,75.184 14.905,74.294 14.905,70.266 U14.2@14.077,70.266 11.089,70.266 C36.1@10.889,70.066 ; 9.842,71.113 C36.1@10.889,70.066 ; 9.842,71.113 10.871,70.084 C36.1@10.889,70.066
NetC36_2: C36.2 U13.1 U14.1 | length 9.8
  Top Layer w0.2: U13.1@4.955,72.12 6.002,72.12 6.952,71.17 9.404,71.17 10,71.766 10.889,71.766 11.089,71.566 U14.1@14.077,71.566
NetC41_1: C41.1 R13.2 U15.4 U16.2 | length 13.2
  Top Layer w0.15: R13.2@13.841,61.428 13.841,59.53 14.732,58.639 14.732,56.145 14.248,55.661 U16.2@13.903,55.661
  Top Layer w0.2: U15.4@7.506,55.615 10.525,55.615 C41.1@10.679,55.461 10.879,55.661 U16.2@13.903,55.661
NetC41_2: C41.2 U15.1 U16.1 | length 15.3
  Top Layer w0.2: U15.1@5.141,57.515 5.655,57.515 6.605,56.565 9.057,56.565 ; 6.778,56.565 9.23,56.565 9.826,57.161 10.176,57.161 C41.2@10.376,56.961 ; C41.2@10.376,56.961 U16.1@13.903,56.961 C41.2@10.376,56.961
NetC49_1: C49.1 R14.2 U18.4 U19.2 | length 13.9
  Top Layer w0.2: U18.4@6.85,41.899 9.906,41.899 C49.1@9.969,41.836 ; C49.1@10.259,41.818 C49.1@10.059,41.618 ; R14.2@13.193,47.498 13.249,47.442 13.249,46.8 14.076,45.973 14.076,42.315 13.963,42.315 13.593,41.945 U19.2@13.248,41.945 10.26,41.945 C49.1@10.06,41.745 ; C49.1@9.969,41.836 C49.1@10.06,41.745 ; C49.1@9.969,41.836 10.042,41.763 C49.1@10.06,41.745 ; C49.1@9.978,41.699 C49.1@10.059,41.618 ; C49.1@9.978,41.699 9.905,41.772 C49.1@9.978,41.699 ; C49.1@9.978,41.699 C49.1@10.059,41.618
NetC49_2: C49.2 U18.1 U19.1 | length 13.1
  Top Layer w0.2: U18.1@4.125,43.799 5.173,43.799 ; C49.2@10.06,43.445 10.26,43.245 U19.1@13.248,43.245 ; C49.2@10.259,43.118 C49.2@10.059,43.318 ; 5.172,43.672 4.124,43.672 5.172,43.672 ; 5.172,43.672 6.122,42.722 8.574,42.722 9.17,43.318 ; 9.17,43.318 C49.2@10.059,43.318 ; 9.17,43.318 C49.2@10.059,43.318
NetC58_1: C58.1 R15.2 U20.4 U21.2 | length 19.1
  Top Layer w0.2: U20.4@6.817,27.548 C58.1@9.873,27.548 ; C58.1@10.227,27.594 C58.1@10.027,27.394 ; R15.2@13.153,32.562 13.153,32.512 14.043,31.622 14.043,27.594 ; C58.1@9.873,27.548 C58.1@10.027,27.394 ; C58.1@9.873,27.548 C58.1@10.026,27.395 ; C58.1@10.026,27.394 9.872,27.548 C58.1@10.026,27.394 ; C58.1@10.026,27.394 10.226,27.594 14.118,27.594 14.118,31.546 R15.2@13.152,32.512 ; R15.2@13.152,32.512 R15.2@13.153,32.562 R15.2@13.152,32.512
NetC58_2: C58.2 U20.1 U21.1 | length 19.7
  Top Layer w0.2: U21.1@13.214,28.894 10.226,28.894 10.026,29.094 9.137,29.094 8.541,28.498 6.089,28.498 5.139,29.448 U20.1@4.092,29.448 5.14,29.448 6.09,28.498 8.542,28.498 9.138,29.094 10.027,29.094 10.227,28.894 U21.1@13.215,28.894
NetC63_1: C63.1 R16.2 U23.4 U24.2 | length 13.9
  Top Layer w0.2: U23.4@6.843,13.07 C63.1@9.9,13.07 ; R16.2@13.179,18.034 14.069,17.144 ; R16.2@13.18,18.084 13.18,18.034 14.07,17.144 14.07,13.599 13.587,13.116 10.254,13.116 C63.1@10.054,12.916 ; C63.1@9.9,13.07 C63.1@10.054,12.916 ; C63.1@9.9,13.07 C63.1@10.054,12.916
NetC63_2: C63.2 U23.1 U24.1 | length 19.7
  Top Layer w0.2: U23.1@4.118,14.97 5.166,14.97 6.116,14.02 ; U23.1@4.119,14.97 5.167,14.97 6.117,14.02 ; 6.116,14.02 8.568,14.02 9.164,14.616 ; 6.117,14.02 8.569,14.02 9.165,14.616 ; 9.165,14.616 C63.2@10.054,14.616 ; 9.164,14.616 C63.2@10.053,14.616 ; C63.2@10.053,14.616 10.253,14.416 U24.1@13.241,14.416 10.254,14.416 C63.2@10.054,14.616
NetC71_2: C71.2 R17.1 R19.2 U26.4 | length 28.9
  Top Layer w0.15: v1(22.352,4.064) 22.363,4.075 22.363,5.129 22.643,5.409 R17.1@22.987,5.409
  Top Layer w0.2: U26.4@40.351,4.41 v1(41.783,4.41) 43.044,4.41 R19.2@43.18,4.546
  Top Layer w0.4: R17.1@22.987,5.445 25.3,5.445 R17.1@22.987,5.445
  Bottom Layer w0.15: v1(22.352,4.064) 34.179,4.064 34.525,4.41 v1(41.783,4.41)
NetC72_1: C72.1 R20.2 R21.1 U26.3 | length 9.5
  Top Layer w0.2: R20.2@29.21,6.755 31.321,6.755 R21.1@31.369,6.803 33.755,6.803 C72.1@33.909,6.649 C72.1@33.909,6.574
  Top Layer w0.4: C72.1@33.909,6.574 36.073,4.41 U26.3@37.627,4.41
NetR1_1: R1.1 U1.1 | length 12
  Top Layer w0.5: U1.1@36.195,91.957 36.043,91.805 U1.1@36.195,91.957 ; U1.1@36.195,91.957 R1.1@36.195,97.725 U1.1@36.195,91.957
NetR2_1: R2.1 VDD_1.K | length 2.7
  Top Layer w0.8: R2.1@7.373,98.028 VDD_1.K@10.118,98.028
NetR3_2: R3.2 R7.1 U2.5 | length 7.9
  Bottom Layer w0.15: U2.5@6.212,63.751 U2.5@6.34,63.623 ; R7.1@4.064,60.69 4.191,60.563 R7.1@4.064,60.69
  Bottom Layer w0.4: U2.5@6.34,63.623 R3.2@6.34,60.563 ; R3.2@6.34,60.563 4.191,60.563 R3.2@6.34,60.563
NetR4_2: R4.2 R8.1 U3.5 | length 5.2
  Bottom Layer w0.4: R8.1@47.371,82.42 R4.2@49.52,82.42 U3.5@49.52,85.479
NetR5_2: R5.2 R9.1 U5.5 | length 7.4
  Bottom Layer w0.4: U5.5@24.12,90.178 R5.2@24.12,87.119 ; R5.2@24.12,87.119 21.971,87.119 R5.2@24.12,87.119
NetR6_2: R6.2 R10.1 U6.5 | length 7.4
  Bottom Layer w0.4: U6.5@6.467,85.225 R6.2@6.467,82.166 ; R6.2@6.467,82.166 4.318,82.166 R6.2@6.467,82.166
POLING_MODE_SW: J24.3 S5.5 | length 86.4
  Top Layer w0.2: v1(56.388,39.354) v1(59.074,39.354)
  Bottom Layer w0.2: J24.3@37.465,18.907 37.465,20.568 56.251,39.354 v1(56.388,39.354) ; v1(59.074,39.354) 64.262,39.354 70.104,33.512 70.104,26.781 72.39,24.495 75.946,24.495 75.946,26.273 76.581,26.908 83.947,26.908 86.995,29.956 86.995,34.782 87.831,35.618 92.53,35.618 93.98,37.068 S5.5@95.249,37.068
POS_CALIB: J24.4 J26.4 | length 18
  Top Layer w0.2: J26.4@22.733,14.478 23.805,13.406 37.059,13.406 37.289,13.636 v1(37.465,13.636)
  Bottom Layer w0.2: v1(37.465,13.636) J24.4@37.465,16.367
POS_TEST: J24.5 R19.1 | length 23.4
  Top Layer w0.2: R19.1@43.18,6.09 v1(45.243,6.09) v1@45.252,6.099
  Bottom Layer w0.2: J24.5@40.005,18.907 38.993,17.895 38.993,8.497 38.141,7.645 38.141,5.912 38.608,5.445 41.402,5.445 42.047,6.09 v1(45.243,6.09)
POS_TEST_CAMP: C71.1 J13.1 J14.2 R17.2 U25.1 U26.1 | length 250.7
  Top Layer w0.2: U26.1@37.627,6.31 v1(38.862,6.31) ; v1(51.562,6.461) 53.467,4.556 89.154,4.556 v1(92.202,7.604) ; v1(89.281,16.228) 89.373,16.32 90.803,16.32 90.883,16.24 U25.1@92.656,16.24 ; v1(90.17,32.242) 90.239,32.311 90.239,62.156 v1(90.297,62.214)
  Top Layer w0.4: R17.2@22.987,7.26 C71.1@25.3,7.26 ; C71.1@25.4,7.159 25.4,7.958 25.681,8.239 34.366,8.239 36.295,6.31 U26.1@37.627,6.31
  Bottom Layer w0.15: J13.1@87.024,112.912 90.17,112.912 93.701,116.443 98.679,116.443 ; v1(89.281,16.228) 89.281,31.353 v1(90.17,32.242) ; v1(90.297,62.214) 90.297,65.828 88.077,68.048 81.534,68.048 78.525,71.057 78.525,80.883 81.971,84.329 88.519,84.329 90.043,85.853 90.043,91.17 91.524,92.651 107.95,92.651 107.95,92.652 109.093,93.795 109.093,115.046 108.839,115.046 107.442,116.443 98.679,116.443 ; J14.2@95.016,112.395 J14.2@95.377,112.395 98.679,115.697 98.679,116.443
  Bottom Layer w0.2: v1(38.862,6.31) 41.124,6.31 41.91,7.096 50.927,7.096 v1(51.562,6.461) ; v1(89.281,16.228) 89.725,15.784 89.725,15.365 92.202,12.889 v1(92.202,7.604)
REQOFF: J22.10 J27.6 | length 31.4
  Bottom Layer w0.2: J22.10@74.549,38.211 74.549,38.221 75.819,39.491 75.819,41.64 76.454,42.275 82.804,42.275 85.217,44.688 95.123,44.688 98.933,48.498 J27.6@100.457,48.498
REQON: J22.7 J27.5 | length 29.1
  Bottom Layer w0.2: J22.7@77.089,40.751 82.169,40.751 85.598,44.18 95.885,44.18 99.153,47.448 101.947,47.448 J27.5@102.997,48.498
RESETb: J31.6 U9.19 U10.19 U17.19 | length 54.3
  Top Layer w0.2: v1(85.809,79.076) 85.933,78.952 85.933,78.382 86.266,78.049 87.435,78.049 U17.19@87.439,78.053 ; v1(102.73,78.218) 104.648,78.218 U10.19@104.673,78.243 ; v1(103.546,65.32) 103.55,65.324 105.142,65.324 U9.19@105.146,65.328
  Bottom Layer w0.2: v1(85.809,79.076) 86.87,79.076 87.804,80.01 100.917,80.01 102.709,78.218 104.109,78.218 ; v1(103.546,65.32) 104.902,66.676 104.902,77.425 104.109,78.218 ; J31.6@106.172,90.662 106.201,90.633 107.188,90.633 107.634,90.187 107.634,81.743 104.109,78.218
S_EXT<0>: J24.10 U22.47 | length 27.4
  Bottom Layer w0.2: J24.10@45.338,16.62 J24.10@45.085,16.367 45.085,17.476 43.815,18.746 43.815,20.558 46.101,22.844 46.101,28.709 54.376,36.984 U22.47@55.889,36.984
S_EXT<1>: J24.12 U22.46 | length 25.3
  Bottom Layer w0.2: J24.12@47.625,16.367 47.625,17.476 46.613,18.488 46.613,28.726 54.371,36.484 U22.46@55.889,36.484
S_EXT<2>: J24.14 U22.44 | length 24
  Bottom Layer w0.2: J24.14@50.165,16.367 50.165,17.476 49.153,18.488 49.153,23.045 48.542,23.656 48.542,30.16 53.891,35.509 55.864,35.509 U22.44@55.889,35.484
S_EXT<3>: J24.16 U22.43 | length 24.4
  Bottom Layer w0.2: J24.16@52.705,16.367 52.705,17.476 51.635,18.546 51.635,21.058 48.892,23.801 48.892,30.015 54.036,35.159 54.832,35.159 54.967,35.024 55.849,35.024 U22.43@55.889,34.984
S_EXT<4>: J24.18 U22.41 | length 25.7
  Bottom Layer w0.2: J24.18@55.245,16.367 55.245,17.51 54.86,17.895 54.826,17.895 53.975,18.746 53.975,21.447 53.798,21.624 51.564,21.624 49.242,23.946 49.242,29.87 53.181,33.809 54.832,33.809 54.967,33.944 55.849,33.944 U22.41@55.889,33.984
S_EXT<5>: J24.20 U22.40 | length 30
  Bottom Layer w0.2: U22.40@55.889,33.484 55.864,33.459 53.326,33.459 49.592,29.725 49.592,24.091 51.635,22.048 58.643,22.048 59.226,21.465 59.226,17.681 57.912,16.367 J24.20@57.785,16.367
S_EXT<6>: J24.22 U22.38 | length 30.9
  Bottom Layer w0.2: U22.38@55.889,32.484 52.846,32.484 49.942,29.58 49.942,24.236 51.78,22.398 61.035,22.398 61.341,22.092 61.341,17.383 J24.22@60.325,16.367
S_EXT<7>: J24.24 U22.37 | length 32.6
  Bottom Layer w0.2: U22.37@55.889,31.984 52.841,31.984 50.292,29.435 50.292,24.381 51.925,22.748 63.658,22.748 63.877,22.529 63.877,17.379 J24.24@62.865,16.367
S_EXT<8>: J24.26 U22.36 | length 32.2
  Bottom Layer w0.2: U22.36@55.889,31.484 52.836,31.484 50.673,29.321 50.673,24.495 52.07,23.098 64.008,23.098 64.262,22.844 64.262,18.619 65.405,17.476 J24.26@65.405,16.367
S_EXT<9>: J24.28 U22.35 | length 32.3
  Bottom Layer w0.2: U22.35@55.889,30.984 53.114,30.984 51.078,28.948 51.078,24.611 52.21,23.479 64.262,23.479 66.675,21.066 66.675,18.746 67.945,17.476 J24.28@67.945,16.367
S_EXT<10>: J24.30 U22.33 | length 32.4
  Bottom Layer w0.2: U22.33@55.889,29.984 52.609,29.984 51.435,28.81 51.435,24.749 52.197,23.987 64.296,23.987 68.957,19.326 68.957,18.661 70.232,17.386 70.232,16.62 J24.30@70.485,16.367
S_EXT_33<0>: J29.21 U22.2 | length 47.8
  Top Layer w0.15: v1(61.565,37.576) 66.548,37.576 69.469,34.655 69.469,15.987 70.613,14.843 82.169,14.843 83.058,13.954 J29.21@83.058,10.525
  Bottom Layer w0.15: v1(61.565,37.576) 62.178,36.962 63.469,36.962 U22.2@63.491,36.984
S_EXT_33<1>: J29.19 U22.3 | length 46.5
  Top Layer w0.15: v1(60.452,36.984) 60.51,36.926 66.756,36.926 69.088,34.594 69.088,15.944 70.697,14.335 78.994,14.335 80.518,12.811 J29.19@80.518,10.525
  Bottom Layer w0.15: v1(60.452,36.984) 60.952,36.484 U22.3@63.491,36.484
S_EXT_33<2>: J29.17 U22.5 | length 48.4
  Top Layer w0.15: v1(59.309,35.398) 59.373,35.462 59.959,35.462 60.084,35.587 67.671,35.587 68.774,34.484 68.774,21.514 66.802,19.542 66.802,16.114 69.089,13.827 77.025,13.827 77.978,12.874 J29.17@77.978,10.525
  Bottom Layer w0.15: v1(59.309,35.398) 59.895,35.398 60.084,35.587 60.622,35.587 60.811,35.398 63.405,35.398 U22.5@63.491,35.484
S_EXT_33<3>: J29.15 U22.6 | length 42.6
  Top Layer w0.15: v1(60.353,34.937) 67.536,34.937 68.072,34.401 68.072,21.574 66.421,19.923 66.421,15.732 68.961,13.192 74.422,13.192 75.438,12.176 J29.15@75.438,10.525
  Bottom Layer w0.15: v1(60.353,34.937) 60.377,34.961 63.467,34.961 U22.6@63.491,34.984
S_EXT_33<4>: J29.13 U22.8 | length 39.2
  Top Layer w0.15: v1(61.565,34.274) 67.31,34.274 67.691,33.893 67.691,22.971 64.262,19.542 64.262,15.859 67.31,12.811 71.628,12.811 72.898,11.541 J29.13@72.898,10.525
  Bottom Layer w0.15: v1(61.565,34.274) 61.754,34.274 62.044,33.984 U22.8@63.491,33.984
S_EXT_33<5>: J29.11 U22.9 | length 42.1
  Top Layer w0.15: v1(58.643,33.766) 60.262,33.766 60.404,33.624 66.69,33.624 67.183,33.131 67.183,22.887 63.962,19.666 63.962,15.397 66.848,12.511 69.342,12.511 70.358,11.495 J29.11@70.358,10.525
  Bottom Layer w0.15: v1(58.643,33.766) 58.832,33.766 59.143,34.077 60.843,34.077 61.436,33.484 U22.9@63.491,33.484